# Altium PCB foxbms2-master.PcbDoc (part 8 of 11)
Units mil, origin at the board's own origin, x right, y up, seen from the top; angles counter-clockwise.
Board outline 7874.02 x 4724.41 mil, 8 copper layers (Top, Int1 (Sig), Int2 (Gnd), Int3 (Sig), Int4 (Sig), Int5 (Pwr), Int6 (Sig), Bottom), stack 64.41 mil thick; 912 components, 680 nets, 3159 pads, 2871 vias.
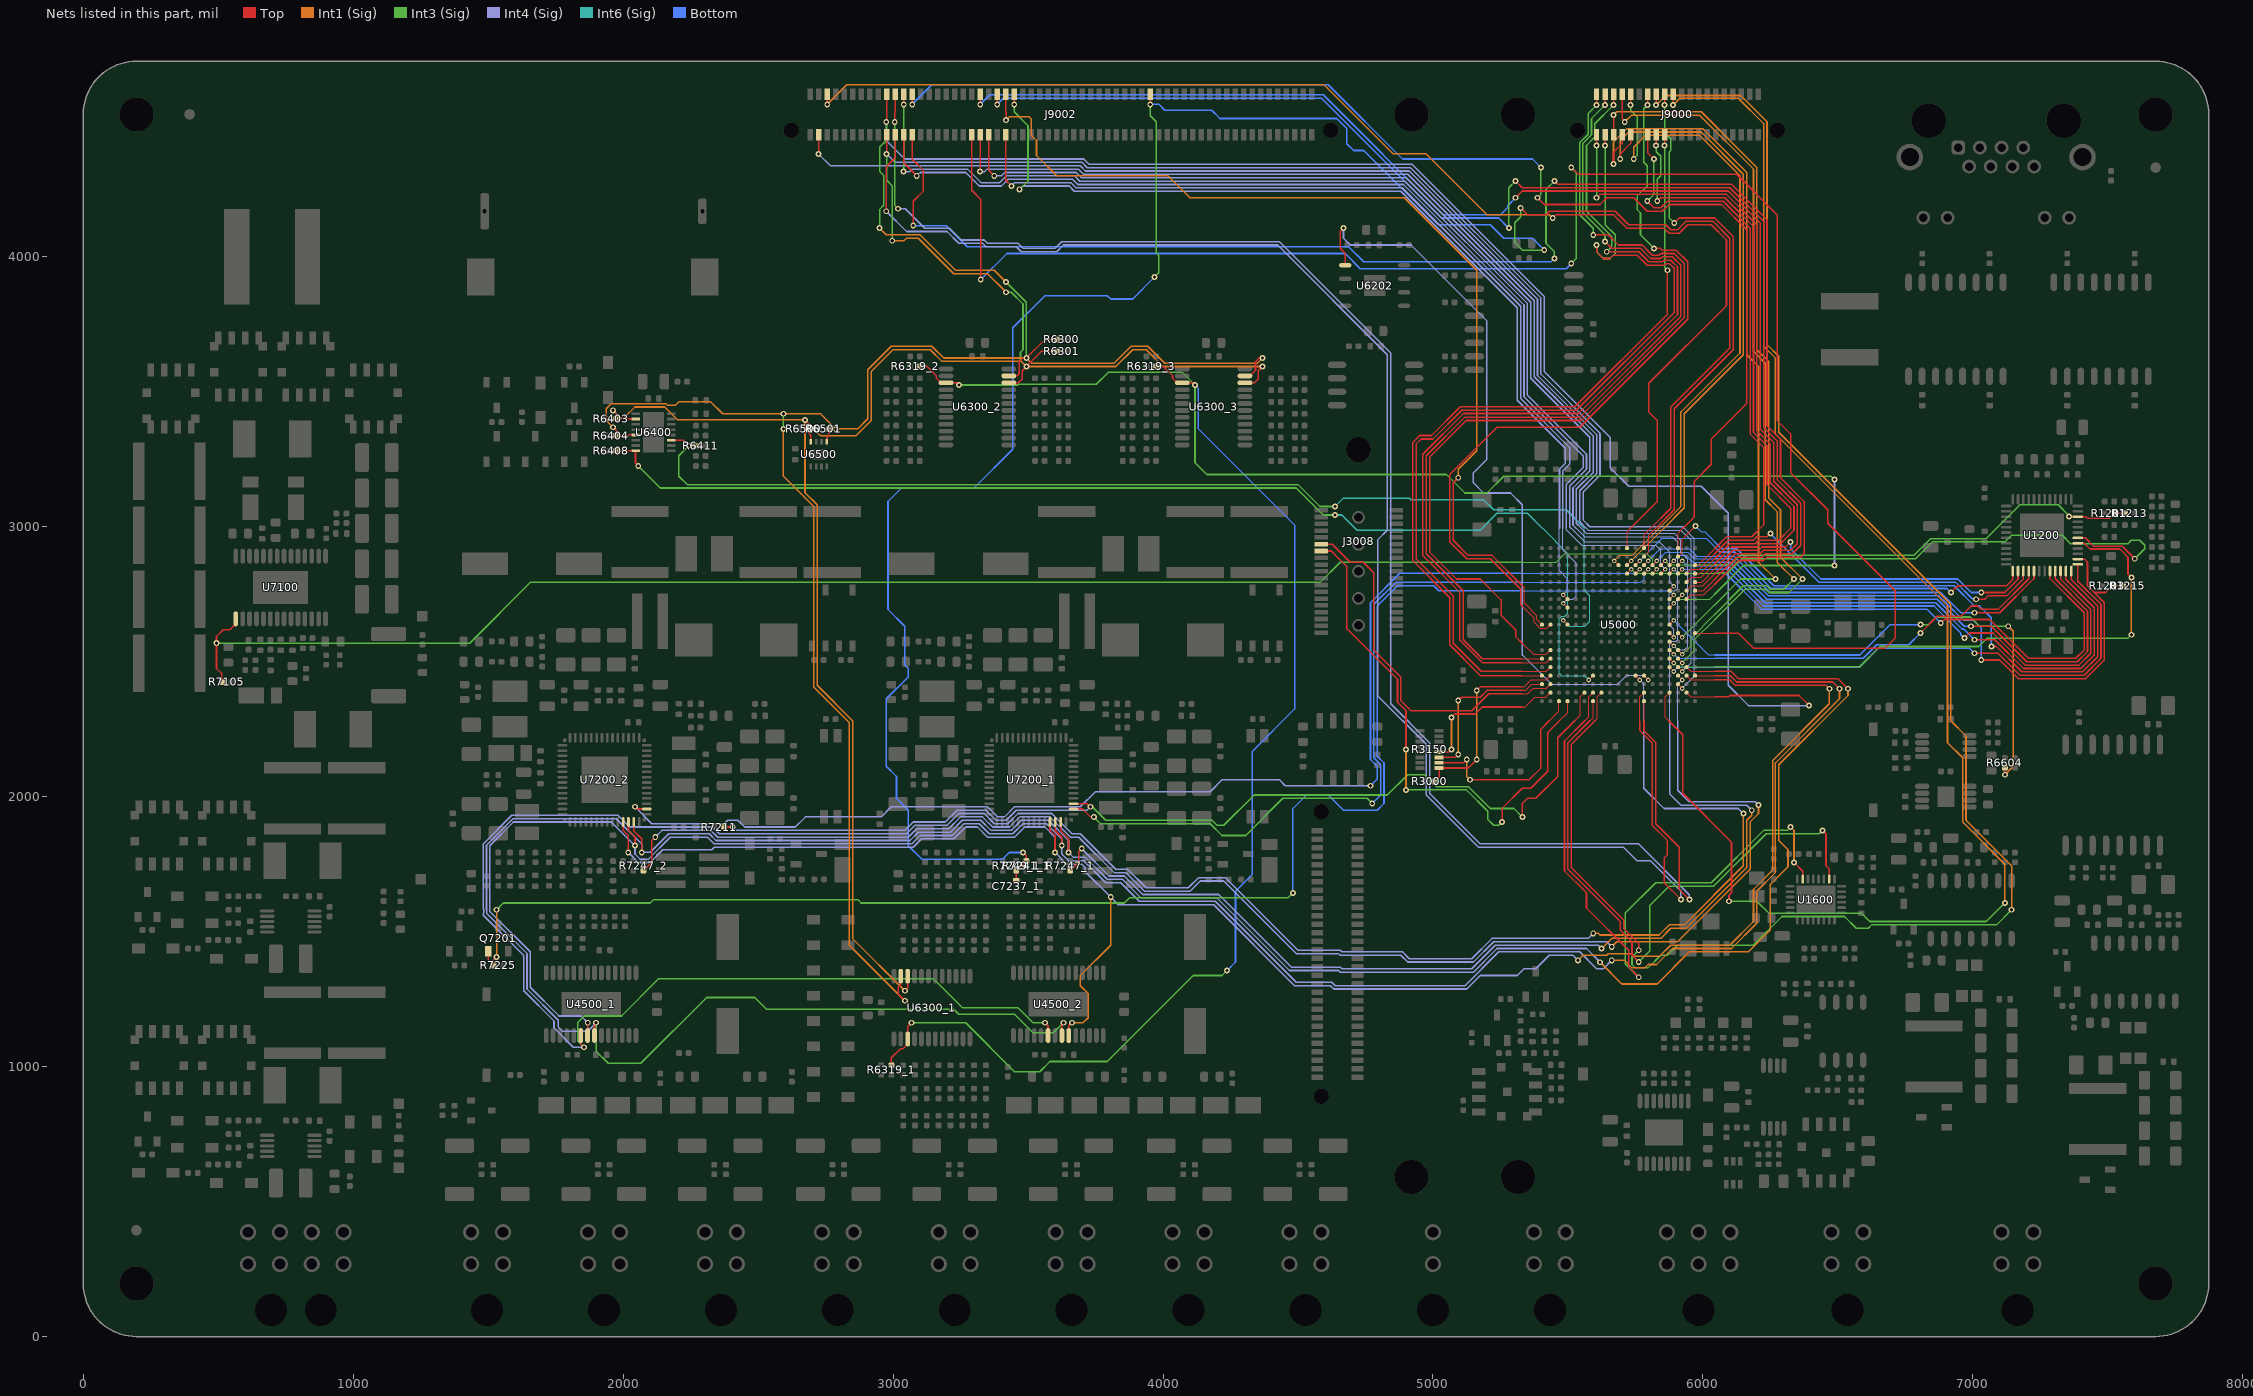
[diagram p14: the nets of this part, all layers, seen from the top]

## Via types
v1: diameter 21.65, hole 11.81, Top to Bottom, 1680 vias
v2: diameter 21.65, hole 11.81, Top to Bottom, tented both sides, 970 vias
v3: diameter 17.72, hole 7.87, Top to Bottom, tented both sides, 172 vias
v4: diameter 17.72, hole 7.87, Top to Bottom, 23 vias
v5: diameter 29.53, hole 19.68, Top to Bottom, tented both sides, 17 vias
v6: diameter 29.53, hole 19.68, Top to Bottom, 9 vias

## Nets (pads, with @x,y where several pads share a name; then routed paths per layer and width w, separated by ;. In a path a pad name is that pad's centre, name@x,y a point inside that pad or via, vN(x,y) a via of type N, cw(c..) or ccw(c..) an arc to the next point about the centre after c; other vN are vias at no path point) (continued)
MCU_GIOX.D13_1: R6408.1 U5000.D13 U6400.8 | length 4366.1
  Top w4: v3(5577.26,2432.78) U5000.D13@5593.01,2448.52
  Top w6: R6408.1@1973.97,3281.25 2026.07,3281.25 2026.22,3281.1 U6400.8@2045.96,3281.1 2045.96,3235.29 v2(2056.25,3225)
  Int3 (Sig) w6: v2(2056.25,3225) 2137.5,3143.75 4493.75,3143.75 4593.75,3043.75 v1(4637.5,3043.75)
  Int6 (Sig) w4: 5406.25,2993.75 5499.41,2900.59 5499.41,2681.25 5497.63,2679.47 5497.63,2678.59 5488.04,2669 5477.51,2669 5467.92,2659.4 5467.92,2457.08 5477.37,2447.63 5562.41,2447.63 v3(5577.26,2432.78)
  Int6 (Sig) w6: v1(4637.5,3043.75) 4662.5,3043.75 4718.75,2987.5 5175,2987.5 5237.5,3050 5350,3050 5406.25,2993.75
MCU_GIOX.H4_1: J9002.42 U5000.H4 | length 4239.4
  Top w4: U5000.H4@5876.48,2574.51 v3(5892.22,2558.76)
  Top w6: v1(3322.54,4315.67) 3322.83,4315.97 J9002.42@3322.83,4452.76
  Int4 (Sig) w4: 5550,2993.75 5568.75,2975 5893.75,2975 5918.75,2950 5918.75,2904.97 5943.75,2879.97 5943.75,2556.25 5931.25,2543.75 5907.23,2543.75 v3(5892.22,2558.76)
  Int4 (Sig) w6: v1(3322.54,4315.67) 3338.9,4315.67 3348.23,4325 3685.98,4325 3705.49,4305.49 4906.64,4305.49 5375,3837.13 5375,3555.18 5593.75,3336.43 5593.75,3201.07 5531.25,3138.57 5531.25,3012.5 5550,2993.75
MCU_GIOX.J1_1: J9002.40 U5000.J1 | length 6546.7
  Top w4: U5000.J1@5970.96,2606 6043.75,2606
  Top w6: J9002.40@3291.34,4452.76 3291.34,4246.16 3325,4212.5 v1(3325,3915.67) ; v1(5512.5,4331.25) 5537.5,4306.25 5606.52,4306.25 6125,4306.25 6275,4156.25 6275,3393.75 6325,3343.75 6325,3200 6462.5,3062.5 6462.5,3012.5 6712.5,2762.5 6712.5,2587.5 6675,2550 6187.5,2550 6131.5,2606 6043.75,2606
  Int3 (Sig) w6: v1(5512.5,3975) 5531.25,3993.75 5531.25,4312.5 v1(5512.5,4331.25)
  Bottom w6: v1(3325,3915.67) 3421.83,4012.5 4675,4012.5 4731.25,3956.25 5493.75,3956.25 v1(5512.5,3975)
MCU_GIOX.J4_1: J9002.44 U5000.J4 | length 4110.9
  Top w4: U5000.J4@5876.48,2606 v4(5892.22,2590.26)
  Top w6: J9002.44@3354.33,4452.76 3354.33,4320.67 v1(3375,4300)
  Int4 (Sig) w4: 5531.25,2993.75 5562.5,2962.5 5887.5,2962.5 5907.08,2942.92 5907.08,2773.05 5896.62,2762.59 5886.07,2762.59 5875.59,2752.11 5875.59,2636.91 5892.22,2620.28 v4(5892.22,2590.26)
  Int4 (Sig) w6: v1(3375,4300) 3401.35,4300 3413.85,4312.5 3678.97,4312.5 3698.48,4292.99 4901.46,4292.99 5362.5,3831.95 5362.5,3550 5581.25,3331.25 5581.25,3206.25 5518.75,3143.75 5518.75,3006.25 5531.25,2993.75
MCU_GIOX.K4_1: R6604.1 U5000.K4 | length 1983.6
  Top w4: U5000.K4@5876.48,2637.5 v3(5892.22,2653.25)
  Top w6: v2(7118.75,2081.25) R6604.1@7118.75,2107.28
  Int3 (Sig) w6: v1(6806.25,2637.5) 6836.35,2637.5 6864.43,2665.58 6990.29,2665.58 7024.62,2631.25 v1(7131.25,2631.25)
  Int1 (Sig) w6: v2(7118.75,2081.25) 7150,2112.5 7150,2612.5 v1(7131.25,2631.25)
  Bottom w4: v3(5892.22,2653.25) 6020.47,2525 6043.75,2525
  Bottom w6: 6043.75,2525 6581.25,2525 6693.75,2637.5 v1(6806.25,2637.5)
MCU_GIOX.K16_1: R6411.1 U5000.K16 U6400.11 | length 4178.8
  Top w4: v3(5482.78,2653.25) U5000.K16@5498.52,2637.5
  Top w6: U6400.11@2179.04,3320.47 2223.28,3320.47 v2(2243.75,3300) R6411.1@2269.78,3300
  Int3 (Sig) w6: v2(2243.75,3300) 2206.25,3262.5 2206.25,3187.5 2237.5,3156.25 4500,3156.25 4581.25,3075 v1(4637.5,3075)
  Int6 (Sig) w4: v3(5482.78,2653.25) 5504.77,2631.25 5562.5,2631.25 5581.25,2650 5581.25,2743.75 5560.63,2764.37 5560.63,2993.75
  Int6 (Sig) w6: v1(4637.5,3075) 4668.75,3106.25 4912.5,3106.25 4918.75,3100 5187.5,3100 5225,3062.5 5493.75,3062.5 5560.63,2995.62 5560.63,2993.75
MCU_GIOX.K19_1: J9002.47 U5000.K19 | length 3685.4
  Top w4: 5331.25,2781.25 5337.5,2775 5337.5,2718.75 5385.13,2671.12 5385.13,2656.4 U5000.K19@5404.04,2637.5
  Top w6: J9002.47@3417.32,4602.36 3417.32,4536.61 3418.75,4535.19 v1(3418.75,4506.25) ; v1(5093.75,3181.25) 5075,3162.5 5075,2950 5131.25,2893.75 5218.75,2893.75 5331.25,2781.25
  Int1 (Sig) w6: v1(3418.75,4506.25) 3431.25,4518.75 3503.35,4518.75 3511.81,4510.29 3511.81,4450.69 3531.25,4431.25 3531.25,4375 3606.25,4300 4018.75,4300 4100,4218.75 4893.75,4218.75 5162.5,3950 5162.5,3281.25 5093.75,3212.5 v1(5093.75,3181.25)
MCU_GIOX.M4_1: R6319_1.1 R6319_2.1 R6319_3.1 U5000.M4 U6300_1.3 U6300_2.3 U6300_3.3 | length 9016.9
  Top w4: U5000.M4@5876.48,2700.49 v3(5892.22,2716.24)
  Top w6: R6319_1.1@2993.75,1005.22 2993.75,1032.51 3027.49,1066.25 3036.53,1066.25 3054.18,1083.91 U6300_1.3@3054.18,1102.61 3054.18,1147.93 v2(3068.75,1162.5) ; R6319_2.1@3098.97,3593.75 3126.26,3593.75 3160,3560.01 3160,3550.97 3177.66,3533.32 U6300_2.3@3196.36,3533.32 3235.43,3533.32 v2(3243.75,3525) ; R6319_3.1@3973.97,3593.75 4001.26,3593.75 4035,3560.01 4035,3550.97 4052.66,3533.32 U6300_3.3@4071.36,3533.32 4110.43,3533.32 v2(4118.75,3525)
  Int3 (Sig) w4: v3(5892.22,2716.24) 5907.23,2731.25 6025,2731.25 6043.75,2750
  Int3 (Sig) w6: v2(3068.75,1162.5) 3268.75,1162.5 3450,981.25 3543.75,981.25 3581.25,1018.75 3793.75,1018.75 4112.5,1337.5 4218.75,1337.5 v1(4237.5,1356.25) ; v2(3243.75,3525) 3462.02,3525 3465.19,3528.17 3753.17,3528.17 3796.83,3571.83 4071.92,3571.83 v2(4118.75,3525) 4118.75,3237.5 4162.5,3193.75 5050,3193.75 5118.75,3125 5200,3125 5262.5,3187.5 6475,3187.5 v1(6487.5,3175) ; 6043.75,2750 6150,2856.25 v1(6487.5,2856.25)
  Int4 (Sig) w6: v1(6487.5,2856.25) v1(6487.5,3175)
  Bottom w6: v2(4118.75,3525) 4131.25,3512.5 4131.25,3362.5 4487.5,3006.25 4487.5,2325 4331.25,2168.75 4331.25,1712.5 4268.75,1650 4268.75,1387.5 v1(4237.5,1356.25)
MCU_GIOX.M16_1: J9002.48 U5000.M16 | length 3541.2
  Top w4: v3(5482.78,2716.24) U5000.M16@5498.52,2700.49
  Top w6: J9002.48@3417.32,4452.76 3417.32,4283.86 v1(3438.68,4262.5)
  Int4 (Sig) w4: 5481.25,2993.75 5481.25,2914.03 5530.91,2864.37 5530.91,2743.36 5518.65,2731.1 5497.63,2731.1 v3(5482.78,2716.24)
  Int4 (Sig) w6: v1(3438.68,4262.5) 3451.18,4275 3657.95,4275 3677.46,4255.49 4885.93,4255.49 5325,3816.42 5325,3475 5506.25,3293.75 5506.25,3231.25 5481.25,3206.25 5481.25,2993.75
MCU_GIOX.N4_1: Q7201.G R7225.1 U5000.N4 | length 5869.9
  Top w4: U5000.N4@5876.48,2731.99 v3(5892.22,2747.74)
  Top w6: Q7201.G@1500.1,1427.76 1500.1,1394.69 R7225.1@1519.78,1375 1519.78,1394.78 v2(1531.25,1406.25)
  Int3 (Sig) w6: v1(1531.25,1581.25) 1556.25,1606.25 2100,1606.25 2112.5,1618.75 2868.75,1618.75 2881.25,1606.25 3856.25,1606.25 3875,1625 4462.5,1625 v1(4481.25,1643.75)
  Int1 (Sig) w6: v2(1531.25,1406.25) v1(1531.25,1581.25)
  Bottom w4: 5331.25,2762.5 5431.25,2762.5 5431.34,2762.59 5877.37,2762.59 v3(5892.22,2747.74)
  Bottom w6: v1(4481.25,1643.75) 4481.25,1956.25 4531.25,2006.25 4612.5,2006.25 4668.75,1950 4793.75,1950 4818.75,1975 4818.75,2125 4793.75,2150 4793.75,2706.25 4868.75,2781.25 5002.65,2781.25 5021.4,2762.5 5331.25,2762.5
MCU_GIOX.N16_1: J9002.49 U5000.N16 | length 3609.7
  Top w4: v3(5482.78,2747.74) U5000.N16@5498.52,2731.99
  Top w6: v1(3448.82,4564.86) J9002.49@3448.82,4602.36
  Int3 (Sig) w6: v1(3448.82,4564.86) 3448.82,4537.2 3500,4486.02 3500,4281.25 v1(3468.75,4250)
  Int4 (Sig) w4: 5468.75,2993.75 5468.75,2881.25 5467.92,2880.42 5467.92,2837.95 5497.63,2808.23 5497.63,2762.59 v3(5482.78,2747.74)
  Int4 (Sig) w6: v1(3468.75,4250) 3481.25,4262.5 3652.15,4262.5 3671.65,4242.99 4880.75,4242.99 5312.5,3811.24 5312.5,3468.37 5490.58,3290.29 5490.58,3234.33 5468.75,3212.5 5468.75,2993.75
MCU_GIOX.P1_1: J9002.45 U5000.P1 | length 5025.9
  Top w4: U5000.P1@5970.96,2763.48 6000.98,2763.48 6043.75,2806.25
  Top w6: v1(3385.83,4564.86) J9002.45@3385.83,4602.36 ; v1(5306.25,4281.25) 5331.25,4256.25 5576.92,4256.25 6100,4256.25 6225,4131.25 6225,3368.75 6275,3318.75 6275,3175 6362.5,3087.5 6362.5,2931.25 6331.25,2900 6231.25,2900 6218.75,2887.5 6125,2887.5 6043.75,2806.25
  Int3 (Sig) w6: v1(5281.25,4106.25) 5281.25,4256.25 v1(5306.25,4281.25)
  Bottom w6: v1(3385.83,4564.86) 3408.46,4587.5 4587.5,4587.5 5031.25,4143.75 5243.75,4143.75 v1(5281.25,4106.25)
MCU_GIOX.P2_1: J9002.41 U5000.P2 | length 4941.7
  Top w4: U5000.P2@5939.47,2763.48 5957.09,2781.11 5999.86,2781.11 6043.75,2825
  Top w6: v1(3322.83,4564.86) J9002.41@3322.83,4602.36 ; v1(5306.25,4218.75) 5331.25,4243.75 5562.5,4243.75 6093.75,4243.75 6212.5,4125 6212.5,3362.5 6262.5,3312.5 6262.5,3168.75 6350,3081.25 6350,2937.5 6325,2912.5 6225,2912.5 6212.5,2900 6118.75,2900 6043.75,2825
  Bottom w6: v1(3322.83,4564.86) 3357.97,4600 4593.75,4600 5037.5,4156.25 5250,4156.25 5276.63,4182.88 5276.63,4189.13 v1(5306.25,4218.75)
MCU_GIOX.T6_1: R7105.1 U5000.T6 U7100.1 | length 5817.2
  Top w4: U5000.T6@5813.48,2826.48 v3(5829.23,2842.22)
  Top w6: R7105.1@513.53,2425 513.53,2455.22 493.75,2475 v1(493.75,2568.75) 493.75,2593.75 518.75,2618.75 543.5,2618.75 564.91,2640.16 U7100.1@564.91,2658.86
  Int3 (Sig) w4: 5331.25,2868.75 5456.79,2868.75 5488.04,2900 5792.47,2900 5814.37,2878.1 5814.37,2857.08 v3(5829.23,2842.22)
  Int3 (Sig) w6: v1(493.75,2568.75) 1431.25,2568.75 1656.25,2793.75 4581.25,2793.75 4656.25,2868.75 5331.25,2868.75
MCU_GIOX.T7_1: U5000.T7 U7200_1.30 | length 3077.4
  Top w4: U5000.T7@5781.99,2826.48 v3(5797.74,2842.22)
  Top w6: U7200_1.30@3668.52,1954.23 3702.02,1954.23 3731.25,1925 v2(3743.75,1925)
  Int3 (Sig) w6: v2(3743.75,1925) 3768.75,1900 4175,1900 4218.75,1856.25 4306.25,1856.25 4443.75,1993.75 4756.25,1993.75 v1(4775,1975)
  Bottom w4: 5331.25,2794.09 5770.62,2794.09 5782.88,2806.35 5782.88,2827.37 v3(5797.74,2842.22)
  Bottom w6: v1(4775,1975) 4806.25,2006.25 4806.25,2118.75 4781.25,2143.75 4781.25,2712.5 4862.84,2794.09 5331.25,2794.09
MCU_GIOX.T8_1: U5000.T8 U7200_2.30 | length 4695.8
  Top w4: U5000.T8@5750.49,2826.48 v3(5766.24,2842.22)
  Top w6: v2(2043.75,1962.5) 2052.02,1954.23 U7200_2.30@2087.27,1954.23
  Int4 (Sig) w6: v2(2043.75,1962.5) 2106.25,1900 2375,1900 2387.5,1912.5 2425,1912.5 2450,1887.5 2637.88,1887.5 2675.38,1925 2956.25,1925 2993.75,1962.5 3350,1962.5 3387.5,1925 3412.5,1925 3450,1962.5 3693.75,1962.5 3750,2018.75 4175,2018.75 4218.75,2062.5 4431.25,2062.5 4453.17,2040.58 v1(4768.75,2040.58)
  Bottom w4: 5331.25,2827.37 5751.38,2827.37 v3(5766.24,2842.22)
  Bottom w6: v1(4768.75,2040.58) 4793.75,2065.58 4793.75,2112.5 4768.75,2137.5 4768.75,2718.75 4877.37,2827.37 5331.25,2827.37
MCU_I2C1.SCL_1: J9002.20 R6301.1 R6403.1 R6500.1 U5000.C3 U6300_1.22 U6300_2.22 U6300_3.22 U6400.2 U6500.4 | length 11524.7
  Top w4: U5000.C3@5907.97,2417.03 v3(5923.72,2401.28)
  Top w6: v2(1962.5,3431.25) 1973.97,3419.78 R6403.1@1973.97,3400 2025.43,3400 2026.22,3399.21 U6400.2@2045.96,3399.21 ; v2(2673.5,3395.25) 2686.47,3382.28 2686.47,3347.67 2695.47,3338.67 U6500.4@2695.47,3314.81 ; v1(2976.08,4381.25) 2976.38,4381.55 J9002.20@2976.38,4452.76 ; v2(3043.75,1281.25) 3054.18,1291.68 U6300_1.22@3054.18,1334.89 ; U6300_2.22@3428.64,3533.32 3464.11,3533.32 3478.17,3547.38 3478.17,3578.17 v2(3493.75,3593.75) 3550,3650 R6301.1@3607.28,3650 ; U6300_3.22@4303.64,3533.32 4339.11,3533.32 4353.17,3547.38 4353.17,3578.17 v2(4368.75,3593.75)
  Int3 (Sig) w6: v1(2976.08,4381.25) 2976.08,4283.45 2996.83,4262.7 v1(2996.83,4059.42) ; v1(3418.75,3868.75) 3437.5,3868.75 3481.25,3825 3481.25,3656.25 3471.92,3646.92 3471.92,3615.58 v2(3493.75,3593.75)
  Int1 (Sig) w6: v2(1962.5,3431.25) 1987.5,3406.25 2006.25,3406.25 2043.75,3443.75 2154.61,3443.75 2201.43,3396.92 2671.83,3396.92 v2(2673.5,3395.25) ; v1(2996.83,4059.42) 3040.67,4059.42 3050,4068.75 3093.75,4068.75 3225,3937.5 3350,3937.5 v1(3418.75,3868.75) ; v2(3043.75,1281.25) 2850,1475 2850,2281.25 2718.75,2412.5 2718.75,3081.25 2673.5,3126.5 v2(2673.5,3395.25) ; v2(4368.75,3593.75) 4000,3593.75 3937.5,3656.25 3887.5,3656.25 3825,3593.75 v2(3493.75,3593.75) 3475,3612.5 3181.25,3612.5 3137.5,3656.25 3000,3656.25 2918.75,3575 2918.75,3393.75 2862.5,3337.5 2731.25,3337.5 v2(2673.5,3395.25)
  Int4 (Sig) w4: v3(5923.72,2401.28) 5968.75,2446.31 5968.75,2956.25 5931.25,2993.75
  Int4 (Sig) w6: v1(2976.08,4381.25) 3007.33,4350 3700,4350 3719.51,4330.49 4917,4330.49 5400,3847.49 5400,3565.53 5618.75,3346.78 5618.75,3190.72 5556.25,3128.22 5556.25,3025 5581.25,3000 5925,3000 5931.25,2993.75
MCU_I2C1.SDA_1: J9002.19 R6300.1 R6404.1 R6501.1 U5000.B2 U6300_1.23 U6300_2.23 U6300_3.23 U6400.5 U6500.1 | length 12730.6
  Top w4: U5000.B2@5939.47,2385.53 5955.22,2369.78 6043.75,2369.78
  Top w6: v1(1962.5,3368.75) 1973.97,3357.28 R6404.1@1973.97,3337.5 2018.75,3337.5 2021.41,3340.16 U6400.5@2045.96,3340.16 ; U6500.1@2754.53,3314.81 2754.53,3329.64 2761.47,3336.58 R6501.1@2761.47,3362.5 v2(2787.5,3362.5) ; v1(2975,4500) 2976.38,4501.38 J9002.19@2976.38,4602.36 ; U6300_1.23@3028.59,1334.89 3028.59,1303.33 3018.75,1293.49 3018.75,1268.75 v2(3043.75,1243.75) ; U6300_2.23@3428.64,3558.91 3460.2,3558.91 3467.72,3566.42 3467.72,3611.47 3481.25,3625 v2(3493.75,3625) 3562.5,3693.75 R6300.1@3607.28,3693.75 ; U6300_3.23@4303.64,3558.91 4322.34,3558.91 4342.72,3579.28 4342.72,3611.47 4356.25,3625 v2(4368.75,3625) ; 6043.75,2369.78 6094.78,2369.78 6100,2375 6356.25,2375 v1(6393.75,2337.5)
  Int3 (Sig) w6: v1(2593.75,3362.5) v1(2593.75,3418.75) ; v1(2950,4106.25) 2950,4175 2965.58,4190.58 2965.58,4301.59 2950,4317.16 2950,4406.25 2976.08,4432.33 2976.08,4498.92 v1(2975,4500) ; v1(3418.75,3906.25) 3493.75,3831.25 v2(3493.75,3625)
  Int1 (Sig) w6: v1(1962.5,3368.75) 1937.5,3393.75 1937.5,3437.5 1956.25,3456.25 2157.99,3456.25 2164.24,3450 2193.75,3450 2206.25,3462.5 2325,3462.5 2368.75,3418.75 v1(2593.75,3418.75) 2731.25,3418.75 v2(2787.5,3362.5) 2868.75,3362.5 2906.25,3400 2906.25,3581.25 2993.75,3668.75 3143.75,3668.75 3187.5,3625 v2(3493.75,3625) 3512.5,3606.25 3818.75,3606.25 3881.25,3668.75 3943.75,3668.75 4006.25,3606.25 4350,3606.25 v2(4368.75,3625) ; v1(2593.75,3362.5) 2593.75,3187.5 2706.25,3075 2706.25,2406.25 2837.5,2275 2837.5,1450 v2(3043.75,1243.75) ; v1(2950,4106.25) 2975,4081.25 3100,4081.25 3231.25,3950 3375,3950 v1(3418.75,3906.25)
  Int4 (Sig) w6: v1(2975,4500) 2975,4431.25 3043.75,4362.5 3705.97,4362.5 3725.48,4342.99 4922.17,4342.99 5412.5,3852.67 5412.5,3575 5656.25,3331.25 5656.25,3218.75 5725,3150 5993.75,3150 6093.75,3050 6093.75,2412.5 6168.75,2337.5 v1(6393.75,2337.5)
MCU_JTAG.\TRST_1: R3000.2 R3150.1 U5000.D18 | length 761.7
  Top w4: 5331.25,2407.28 5338.39,2407.28 5363.88,2432.78 5419.78,2432.78 U5000.D18@5435.53,2448.52
  Top w6: R3000.2@5005.22,2056.25 5022.93,2073.97 R3150.1@5022.93,2106.1 5131.1,2106.1 v1(5162.5,2137.5) ; v1(5162.5,2393.75) 5176.03,2407.28 5331.25,2407.28
  Int1 (Sig) w6: v1(5162.5,2137.5) v1(5162.5,2393.75)
MCU_JTAG.RTCK_1: J3008.13 U5000.A16 | length 2038.1
  Top w4: 5468.75,2281.25 5498.52,2311.02 U5000.A16@5498.52,2354.04
  Top w6: J3008.13@4585.43,2910.24 4623.44,2910.24 4681.25,2852.42 4681.25,2623.05 4868.75,2435.55 4868.75,2350 4900,2318.75 v1(4900,2175) ; v1(5256.25,1906.25) 5256.25,1956.25 5331.25,2031.25 5362.5,2031.25 5425,2093.75 5425,2237.5 5468.75,2281.25
  Int3 (Sig) w6: v1(4900,2025) 5124.62,2025 5203.08,1946.54 5203.08,1915.67 5225,1893.75 5243.75,1893.75 v1(5256.25,1906.25)
  Int1 (Sig) w6: v1(4900,2025) v1(4900,2175)
MCU_JTAG.TCK_1: R3150.4 U5000.B18 | length 573.4
  Top w4: 5331.25,2332.21 5340.67,2332.21 5376.37,2367.91 5417.91,2367.91 U5000.B18@5435.53,2385.53
  Top w6: R3150.4@5022.93,2165.16 5058.91,2165.16 v1(5068.75,2175) ; v1(5068.75,2293.75) 5081.25,2306.25 5156.25,2306.25 5182.21,2332.21 5331.25,2332.21
  Int1 (Sig) w6: v1(5068.75,2175) v1(5068.75,2293.75)
MCU_JTAG.TDI_1: R3150.2 U5000.A17 | length 743.3
  Top w4: 5431.25,2281.25 5467.03,2317.03 U5000.A17@5467.03,2354.04
  Top w6: R3150.2@5022.93,2125.79 5113.29,2125.79 v1(5125,2137.5) ; v1(5137.5,2062.5) 5356.25,2062.5 5400,2106.25 5400,2250 5431.25,2281.25
  Int1 (Sig) w6: v1(5125,2137.5) 5125,2075 v1(5137.5,2062.5)
MCU_JTAG.TDO_1: J3008.11 U5000.C18 | length 1364.8
  Top w4: 5331.25,2381.25 5351.13,2381.25 5371.16,2401.28 5419.78,2401.28 U5000.C18@5435.53,2417.03
  Top w6: J3008.11@4585.43,2935.43 4627.02,2935.43 4694.14,2868.31 4742.22,2868.31 4781.25,2829.28 4781.25,2543.75 4881.25,2443.75 4881.25,2356.25 4918.75,2318.75 5143.75,2318.75 5206.25,2381.25 5331.25,2381.25
MCU_JTAG.TMS_1: R3150.3 U5000.C19 | length 610.7
  Top w4: 5331.25,2393.75 5343.6,2393.75 5366.88,2417.03 U5000.C19@5404.04,2417.03
  Top w6: R3150.3@5022.93,2145.47 5082.97,2145.47 v1(5093.75,2156.25) ; v1(5093.75,2356.25) 5106.25,2368.75 5175,2368.75 5200,2393.75 5331.25,2393.75
  Int1 (Sig) w6: v1(5093.75,2156.25) v1(5093.75,2356.25)
MCU_LIN1.RX_1: J9002.21 U5000.A7 | length 6129.1
  Top w4: 5781.99,2281.25 U5000.A7@5781.99,2354.04
  Top w6: v1(3006.25,4500) 3006.25,4536.42 3007.87,4538.04 J9002.21@3007.87,4602.36 ; 5781.99,2281.25 5781.99,2243.9 5825,2200.89 5825,1900 5912.5,1812.5 5912.5,1656.25 v1(5950,1618.75)
  Int3 (Sig) w6: v1(3006.25,4500) 3006.83,4499.42 3006.83,4190.1 v1(3018.75,4178.17)
  Int4 (Sig) w6: v1(3018.75,4178.17) 3045.08,4178.17 3117,4106.25 3209.42,4106.25 3253.17,4062.5 3337.5,4062.5 3350,4050 3462.5,4050 3481.25,4031.25 3600,4031.25 3625,4056.25 4431.25,4056.25 4843.75,3643.75 4843.75,2343.75 4987.5,2200 4987.5,2012.5 5175,1825 5762.12,1825 5950,1637.12 v1(5950,1618.75)
MCU_LIN1.TX_1: J9002.22 U5000.B7 | length 6083.8
  Top w4: 5766.24,2281.25 5766.24,2369.78 U5000.B7@5781.99,2385.53
  Top w6: v1(2975,4168.75) 2975,4334.2 3007.87,4367.08 J9002.22@3007.87,4452.76 ; 5766.24,2281.25 5766.24,2245.51 5812.7,2199.05 5812.7,1893.55 5868.75,1837.5 5868.75,1784.73 5856.25,1772.23 5856.25,1681.25 v1(5918.75,1618.75)
  Int4 (Sig) w6: v1(2975,4168.75) 3050,4093.75 3200,4093.75 3243.75,4050 3331.25,4050 3343.75,4037.5 3456.25,4037.5 3475,4018.75 3606.25,4018.75 3631.25,4043.75 4425,4043.75 4831.25,3637.5 4831.25,2987.5 4796.25,2952.5 4796.25,2372.5 4975,2193.75 4975,2006.25 5168.75,1812.5 5706.25,1812.5 5756.25,1762.5 5806.25,1762.5 5918.75,1650 v1(5918.75,1618.75)
MCU_LIN2.RX_1: J9002.23 U5000.P4 | length 4557.8
  Top w4: U5000.P4@5876.48,2763.48 v3(5892.22,2779.23)
  Top w6: v1(3039.37,4564.86) J9002.23@3039.37,4602.36
  Int3 (Sig) w6: 3039.07,4537.5 v1(3039.07,4315.67) 3039.22,4315.82 3039.22,4564.71 v1(3039.37,4564.86)
  Int4 (Sig) w4: 5512.5,2993.75 5562.5,2943.75 5837.5,2943.75 5876.48,2904.77 5876.48,2794.98 v3(5892.22,2779.23)
  Int4 (Sig) w6: v1(3039.07,4315.67) 3060.73,4315.67 3070.06,4325 3275.89,4325 3325.89,4275 3395.1,4275 3420.1,4300 3671.97,4300 3691.47,4280.49 4896.29,4280.49 5350,3826.78 5350,3487.5 5568.75,3268.75 5568.75,3212.5 5506.25,3150 5506.25,3000 5512.5,2993.75
MCU_LIN2.TX_1: J9002.24 U5000.T5 | length 4082.1
  Top w4: U5000.T5@5844.98,2826.48 v3(5860.73,2842.22)
  Top w6: J9002.24@3039.37,4452.76 3039.37,4348.13 v1(3087.5,4300)
  Int4 (Sig) w4: 5493.75,2993.75 5493.75,2989.27 5551.77,2931.25 5825,2931.25 5844.09,2912.16 5844.09,2858.86 v3(5860.73,2842.22)
  Int4 (Sig) w6: v1(3087.5,4300) 3100,4312.5 3269.64,4312.5 3319.64,4262.5 3401.35,4262.5 3426.35,4287.5 3664.96,4287.5 3684.47,4267.99 4891.11,4267.99 5337.5,3821.6 5337.5,3481.25 5556.25,3262.5 5556.25,3218.75 5493.75,3156.25 5493.75,2993.75
MCU_MII.RXCLK_1: U1200.32 U5000.T4 | length 2047
  Top w4: U5000.T4@5876.48,2826.48 v3(5892.22,2842.22)
  Top w6: v1(6881.25,2643.75) 6893.75,2656.25 7062.5,2656.25 7206.25,2512.5 7381.25,2512.5 7412.5,2543.75 7412.5,2681.25 7285.78,2807.97 U1200.32@7285.78,2835.88
  Bottom w4: v3(5892.22,2842.22) 5907.08,2827.37 6043.75,2827.37
  Bottom w6: 6043.75,2827.37 6085.13,2827.37 6218.75,2693.75 6831.25,2693.75 v1(6881.25,2643.75)
MCU_MII.RXCTRL_1: R1203.1 R1215.2 U1200.38 U5000.U6 | length 2531.6
  Top w4: U5000.U6@5813.48,2857.97 v3(5829.23,2873.72)
  Top w6: v1(7031.25,2506.25) 7100,2506.25 7168.75,2437.5 7418.75,2437.5 7487.5,2506.25 7487.5,2718.75 7450,2756.25 ; U1200.38@7389.12,2880.17 7413.58,2880.17 7425,2868.75 7425,2781.25 7450,2756.25 ; R1215.2@7556.25,2781.25 R1203.1@7516.68,2781.25 7491.68,2756.25 7450,2756.25
  Bottom w4: v3(5829.23,2873.72) 5861.76,2906.25 5943.75,2906.25 5968.75,2881.25 6043.75,2881.25
  Bottom w6: 6043.75,2881.25 6106.25,2881.25 6243.75,2743.75 6875,2743.75 6900,2718.75 6965.67,2653.08 7002.79,2653.08 7031.25,2624.62 v1(7031.25,2506.25)
MCU_MII.RXD0_1: U1200.33 U5000.U4 | length 2089.9
  Top w4: U5000.U4@5876.48,2857.97 v3(5892.22,2873.72)
  Top w6: v1(6993.75,2631.25) 7068.75,2631.25 7200,2500 7387.5,2500 7425,2537.5 7425,2687.5 7305.46,2807.04 U1200.33@7305.46,2835.88
  Bottom w4: v3(5892.22,2873.72) 5912.25,2893.75 5937.5,2893.75 5962.5,2868.75 6043.75,2868.75
  Bottom w6: 6043.75,2868.75 6100,2868.75 6237.5,2731.25 6868.75,2731.25 6968.75,2631.25 v1(6993.75,2631.25)
MCU_MII.RXD1_1: U1200.34 U5000.T3 | length 2071.5
  Top w4: U5000.T3@5907.97,2826.48 v3(5923.72,2842.22)